# Altium PCB DM1098FFC.PcbDoc (part 3 of 3)
Units mm, origin at the board's own origin, x right, y up, seen from the top; angles counter-clockwise.
Board outline 60 x 40 mm, 4 copper layers (Top Copper, Signal Layer 1, Layer 1, Bottom Layer), stack 1.602 mm thick; 93 components, 104 nets, 471 pads, 369 vias.
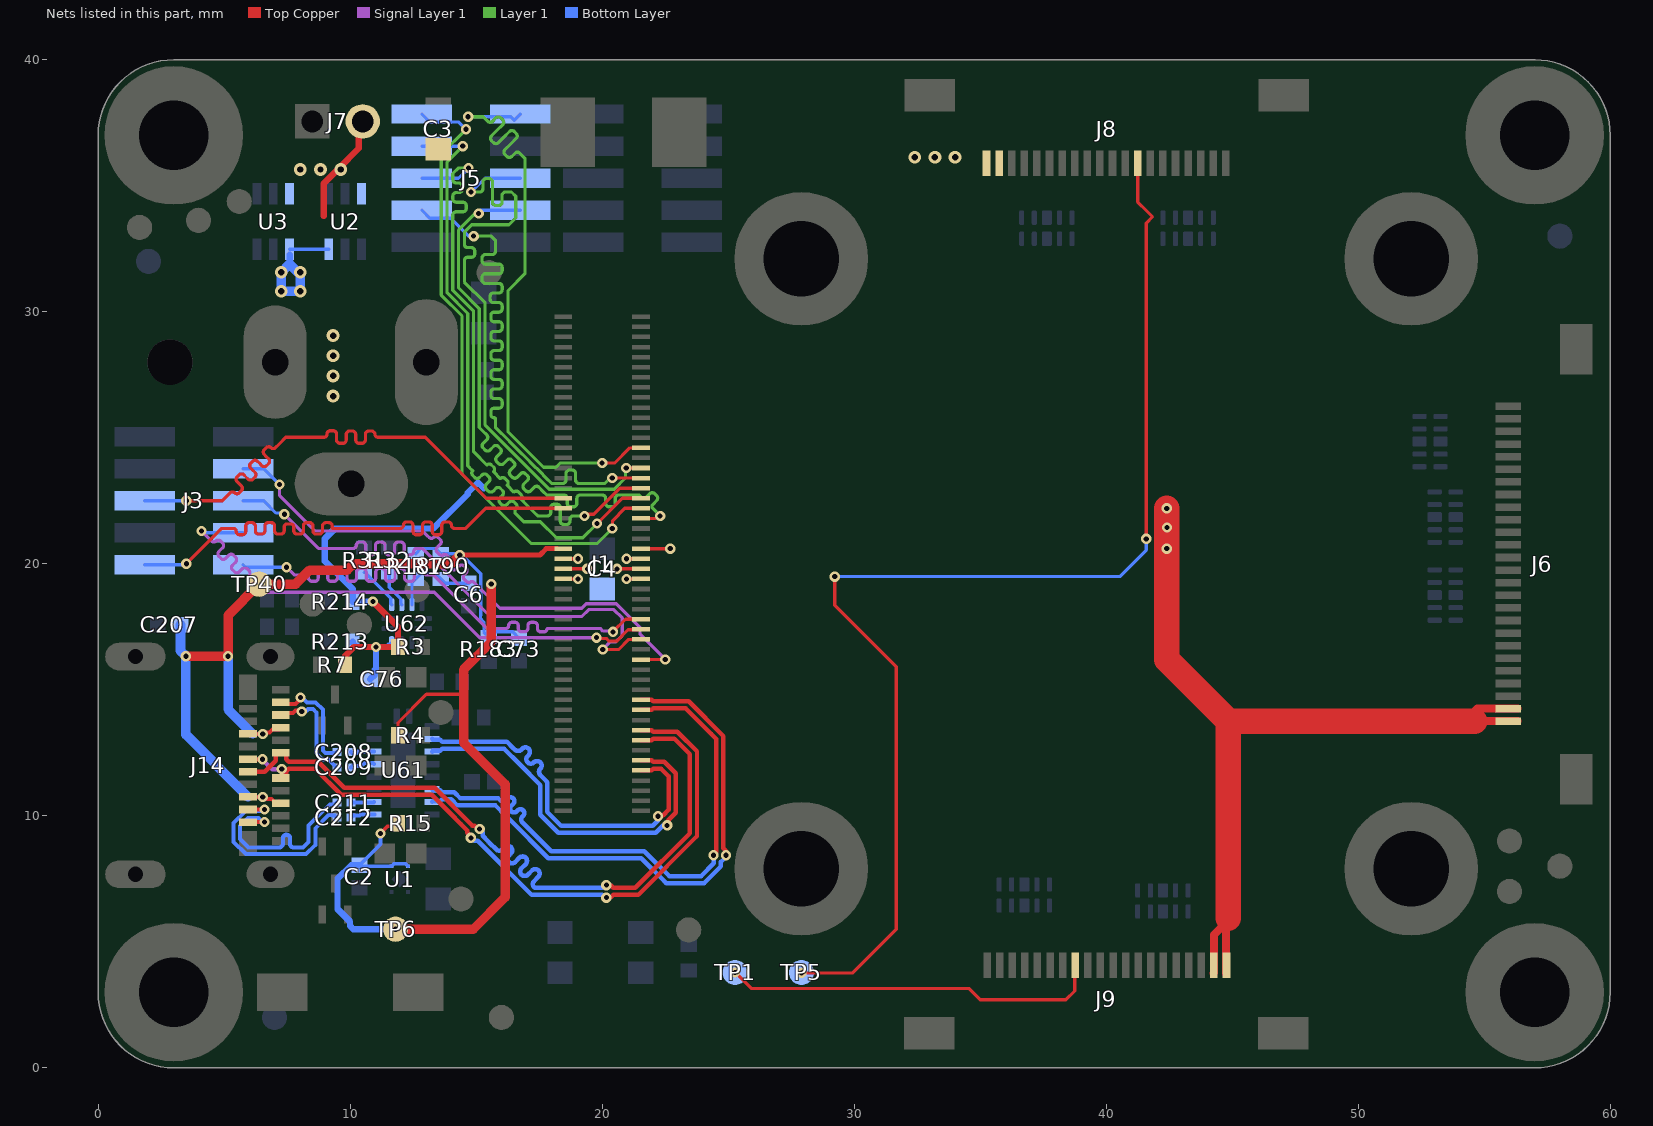
[diagram p5: the nets of this part, all layers, seen from the top]

## Via types
v1: diameter 0.406, hole 0.203, Top Copper to Bottom Layer, tented both sides, 332 vias
v2: diameter 0.508, hole 0.254, Top Copper to Bottom Layer, tented both sides, 21 vias
v3: diameter 0.508, hole 0.254, Top Copper to Bottom Layer, 16 vias

## Nets (pads, with @x,y where several pads share a name; then routed paths per layer and width w, separated by ;. In a path a pad name is that pad's centre, name@x,y a point inside that pad or via, vN(x,y) a via of type N, cw(c..) or ccw(c..) an arc to the next point about the centre after c; other vN are vias at no path point) (continued)
SD_HST0_CLK: J1.61 J3.1 | length 22.7
  Top Copper w0.127: v1(3.5,20) 4.906,21.406 5.096,21.406 5.357,21.406 cw(c5.357,21.285) 5.477,21.285 ccw(c5.611,21.285) 5.611,21.152 5.725,21.152 ccw(c5.725,21.285) 5.858,21.285 5.858,21.406 5.858,21.499 cw(c5.992,21.499) 5.992,21.633 6.106,21.633 cw(c6.106,21.499) 6.239,21.499 6.239,21.406 6.239,21.312 ccw(c6.373,21.312) 6.373,21.179 6.487,21.179 ccw(c6.487,21.312) 6.62,21.312 6.62,21.406 6.62,21.499 cw(c6.754,21.499) 6.754,21.633 6.868,21.633 cw(c6.868,21.499) 7.001,21.499 7.001,21.406 7.001,21.312 ccw(c7.135,21.312) 7.135,21.179 7.249,21.179 ccw(c7.249,21.312) 7.382,21.312 7.382,21.406 7.382,21.451 cw(c7.516,21.451) 7.516,21.584 7.63,21.584 cw(c7.63,21.451) 7.763,21.451 7.763,21.406 7.763,21.312 ccw(c7.897,21.312) 7.897,21.179 8.011,21.179 ccw(c8.011,21.312) 8.144,21.312 8.144,21.406 8.144,21.499 cw(c8.278,21.499) 8.278,21.633 8.392,21.633 cw(c8.392,21.499) 8.525,21.499 8.525,21.406 8.525,21.312 ccw(c8.659,21.312) 8.659,21.179 8.773,21.179 ccw(c8.773,21.312) 8.906,21.312 8.906,21.406 8.906,21.499 cw(c9.04,21.499) 9.04,21.633 9.154,21.633 cw(c9.154,21.499) 9.287,21.499 9.287,21.406 9.297,21.406 11.747,21.406 11.992,21.406 ccw(c11.992,21.526) 12.113,21.526 cw(c12.246,21.526) 12.246,21.66 12.361,21.66 cw(c12.361,21.526) 12.494,21.526 12.494,21.406 12.494,21.285 ccw(c12.627,21.285) 12.627,21.152 12.742,21.152 ccw(c12.742,21.285) 12.875,21.285 12.875,21.406 12.875,21.526 cw(c13.008,21.526) 13.008,21.66 13.123,21.66 cw(c13.123,21.526) 13.256,21.526 13.256,21.406 13.256,21.285 ccw(c13.389,21.285) 13.389,21.152 13.504,21.152 ccw(c13.504,21.285) 13.637,21.285 13.637,21.406 13.637,21.526 cw(c13.77,21.526) 13.77,21.66 13.885,21.66 cw(c13.885,21.526) 14.018,21.526 ccw(c14.139,21.526) 14.139,21.406 14.399,21.406 14.589,21.406 15.384,22.2 J1.61@18.46,22.2 J1.61@18.5,22.2
  Bottom Layer w0.127: J3.1@1.85,19.96 3.46,19.96 v1(3.5,20)
SD_HST0_CMD: J1.63 J3.5 | length 22.7
  Top Copper w0.127: v1(3.5,22.5) 4.926,22.5 5.061,22.635 5.245,22.819 cw(c5.33,22.733) 5.415,22.819 ccw(c5.51,22.913) 5.604,22.819 5.685,22.9 ccw(c5.59,22.994) 5.685,23.088 5.599,23.174 5.514,23.259 cw(c5.608,23.353) 5.514,23.447 5.595,23.528 cw(c5.689,23.434) 5.783,23.528 5.869,23.443 5.954,23.358 ccw(c6.048,23.452) 6.143,23.358 6.223,23.438 ccw(c6.129,23.533) 6.223,23.627 6.138,23.712 6.053,23.798 cw(c6.147,23.892) 6.053,23.986 6.134,24.067 cw(c6.228,23.973) 6.322,24.067 6.408,23.982 6.493,23.896 ccw(c6.587,23.991) 6.681,23.896 6.762,23.977 ccw(c6.668,24.072) 6.762,24.166 6.677,24.251 6.592,24.336 cw(c6.686,24.431) 6.592,24.525 6.672,24.606 cw(c6.767,24.512) 6.861,24.606 ccw(c6.946,24.691) 7.032,24.606 7.2,24.774 7.449,25.023 8.89,25.023 8.96,25.023 ccw(c8.96,25.143) 9.08,25.143 cw(c9.214,25.143) 9.214,25.277 9.328,25.277 cw(c9.328,25.143) 9.461,25.143 9.461,25.023 9.461,24.913 ccw(c9.595,24.913) 9.595,24.78 9.709,24.78 ccw(c9.709,24.913) 9.842,24.913 9.842,25.023 9.842,25.132 cw(c9.976,25.132) 9.976,25.266 10.09,25.266 cw(c10.09,25.132) 10.223,25.132 10.223,25.023 10.223,24.913 ccw(c10.357,24.913) 10.357,24.78 10.471,24.78 ccw(c10.471,24.913) 10.604,24.913 10.604,25.023 10.604,25.132 cw(c10.738,25.132) 10.738,25.266 10.852,25.266 cw(c10.852,25.132) 10.985,25.132 ; 10.985,25.135 10.985,25.141 ; 10.985,25.143 ccw(c11.106,25.143) 11.106,25.023 11.35,25.023 12.984,25.023 15.407,22.6 J1.63@18.46,22.6
  Bottom Layer w0.127: J3.5@1.85,22.5 v1(3.5,22.5)
SD_HST0_D0: J1.40 J3.2 | length 22.8
  Top Copper w0.127: v1(20.425,17.3) 20.925,17.8 J1.40@21.54,17.8 J1.40@21.565,17.8
  Signal Layer 1 w0.127: v1(7.474,19.863) 7.779,19.558 7.969,19.558 8.23,19.558 cw(c8.23,19.437) 8.35,19.437 ccw(c8.484,19.437) 8.484,19.304 8.598,19.304 ccw(c8.598,19.437) 8.731,19.437 8.731,19.558 8.731,19.678 cw(c8.865,19.678) 8.865,19.812 8.979,19.812 cw(c8.979,19.678) 9.112,19.678 9.112,19.558 9.112,19.437 ccw(c9.246,19.437) 9.246,19.304 9.36,19.304 ccw(c9.36,19.437) 9.493,19.437 9.493,19.558 9.493,19.678 cw(c9.627,19.678) 9.627,19.812 9.741,19.812 cw(c9.741,19.678) 9.874,19.678 9.874,19.558 9.874,19.437 ccw(c10.008,19.437) 10.008,19.304 10.122,19.304 ccw(c10.122,19.437) 10.255,19.437 10.255,19.558 10.255,19.678 cw(c10.389,19.678) 10.389,19.812 10.503,19.812 cw(c10.503,19.678) 10.636,19.678 10.636,19.558 10.636,19.437 ccw(c10.77,19.437) 10.77,19.304 10.884,19.304 ccw(c10.884,19.437) 11.017,19.437 11.017,19.558 11.017,19.678 cw(c11.151,19.678) 11.151,19.812 11.265,19.812 cw(c11.265,19.678) 11.398,19.678 11.398,19.558 11.398,19.437 ccw(c11.532,19.437) 11.532,19.304 11.646,19.304 ccw(c11.646,19.437) 11.779,19.437 11.779,19.558 11.779,19.678 cw(c11.913,19.678) 11.913,19.812 12.027,19.812 cw(c12.027,19.678) 12.16,19.678 12.16,19.558 12.16,19.437 ccw(c12.294,19.437) 12.294,19.304 12.408,19.304 ccw(c12.408,19.437) 12.541,19.437 12.541,19.558 12.541,19.678 cw(c12.675,19.678) 12.675,19.812 12.789,19.812 cw(c12.789,19.678) 12.922,19.678 ccw(c13.043,19.678) 13.043,19.558 13.1,19.558 13.298,19.558 15.419,17.437 16.1,17.437 16.181,17.437 ccw(c16.181,17.546) 16.291,17.546 cw(c16.424,17.546) 16.424,17.68 16.538,17.68 cw(c16.538,17.546) 16.672,17.546 16.672,17.437 16.672,17.433 ccw(c16.805,17.433) 16.805,17.3 16.919,17.3 ccw(c16.919,17.433) 17.053,17.433 17.053,17.437 17.053,17.544 cw(c17.186,17.544) 17.186,17.677 17.3,17.677 cw(c17.3,17.544) 17.434,17.544 17.434,17.437 17.434,17.433 ccw(c17.567,17.433) 17.567,17.3 17.681,17.3 ccw(c17.681,17.433) 17.815,17.433 17.815,17.437 18.701,17.437 19.925,17.437 20.031,17.33 20.395,17.33 v1(20.425,17.3)
  Bottom Layer w0.127: J3.2@5.75,19.96 5.847,19.863 v1(7.474,19.863)
SD_HST0_D1: J1.38 J3.4 | length 22.8
  Top Copper w0.127: v1(19.772,17.068) 19.803,17.038 20.166,17.038 20.272,16.932 20.578,16.932 21.024,17.379 21.544,17.379 J1.38@21.565,17.4
  Signal Layer 1 w0.127: v1(4.1,21.3) 4.45,20.95 4.499,20.901 ccw(c4.585,20.986) 4.67,20.901 cw(c4.764,20.806) 4.859,20.901 4.939,20.82 cw(c4.845,20.725) 4.939,20.631 4.854,20.546 4.793,20.485 ccw(c4.888,20.391) 4.793,20.297 4.874,20.216 ccw(c4.968,20.31) 5.063,20.216 5.124,20.276 5.184,20.337 cw(c5.279,20.243) 5.373,20.337 5.454,20.256 cw(c5.359,20.162) 5.454,20.068 5.393,20.007 5.332,19.946 ccw(c5.426,19.852) 5.332,19.758 5.413,19.677 ccw(c5.507,19.771) 5.602,19.677 5.662,19.738 5.723,19.798 cw(c5.817,19.704) 5.912,19.798 5.992,19.718 cw(c5.898,19.623) 5.992,19.529 ; 5.998,19.534 6.012,19.548 ; 6.017,19.554 ccw(c6.102,19.468) 6.017,19.383 6.072,19.328 6.532,18.868 13.336,18.868 15.136,17.068 v1(19.772,17.068)
  Bottom Layer w0.127: v1(4.1,21.3) 4.16,21.3 4.23,21.23 J3.4@5.75,21.23
SD_HST0_D2: J1.36 J3.6 | length 22.8
  Top Copper w0.127: v1(20.025,16.6) 20.654,16.6 21.054,17 J1.36@21.54,17 J1.36@21.565,17
  Signal Layer 1 w0.127: v1(7.389,21.963) 8.742,20.61 10.05,20.61 10.12,20.61 ccw(c10.12,20.73) 10.241,20.73 cw(c10.374,20.73) 10.374,20.864 10.488,20.864 cw(c10.488,20.73) 10.622,20.73 10.622,20.61 10.622,20.494 ccw(c10.755,20.494) 10.755,20.36 10.869,20.36 ccw(c10.869,20.494) 11.003,20.494 11.003,20.61 11.003,20.726 cw(c11.136,20.726) 11.136,20.859 11.25,20.859 cw(c11.25,20.726) 11.384,20.726 11.384,20.61 11.384,20.494 ccw(c11.517,20.494) 11.517,20.36 11.631,20.36 ccw(c11.631,20.494) 11.765,20.494 11.765,20.61 11.765,20.726 cw(c11.898,20.726) 11.898,20.859 12.012,20.859 cw(c12.012,20.726) 12.146,20.726 12.146,20.61 12.146,20.494 ccw(c12.279,20.494) 12.279,20.36 12.393,20.36 ccw(c12.393,20.494) 12.527,20.494 ; 12.527,20.489 cw(c12.647,20.489) 12.647,20.61 12.81,20.61 12.856,20.61 15.558,17.908 19.19,17.908 19.466,18.184 20.462,18.184 20.793,17.853 20.793,17.147 20.546,16.9 20.325,16.9 v1(20.025,16.6) ; 12.527,20.49 12.527,20.493
  Bottom Layer w0.127: J3.6@5.75,22.5 6.57,22.5 7.053,22.017 7.336,22.017 v1(7.389,21.963)
SD_HST0_D3: J1.32 J3.8 | length 22.9
  Top Copper w0.127: J1.32@21.565,16.2 21.57,16.205 v1(22.504,16.205)
  Signal Layer 1 w0.127: v1(7.199,23.15) 7.199,22.706 8.609,21.297 12.881,21.297 13.086,21.092 13.135,21.043 ccw(c13.221,21.128) 13.306,21.043 cw(c13.4,20.948) 13.495,21.043 13.575,20.962 cw(c13.481,20.868) 13.575,20.773 13.49,20.688 13.45,20.648 ccw(c13.544,20.553) 13.45,20.459 13.53,20.378 ccw(c13.625,20.472) 13.719,20.378 ; 13.674,20.333 cw(c13.759,20.248) 13.845,20.333 13.944,20.234 cw(c13.858,20.149) 13.944,20.064 ccw(c14.038,19.97) 13.944,19.875 14.024,19.794 ccw(c14.119,19.889) 14.213,19.794 14.298,19.88 14.331,19.913 cw(c14.425,19.818) 14.52,19.913 14.6,19.832 cw(c14.506,19.737) 14.6,19.643 14.568,19.61 14.527,19.57 ccw(c14.622,19.476) 14.527,19.381 14.608,19.301 ccw(c14.702,19.395) 14.797,19.301 ; 13.693,20.352 13.7,20.359 ; 14.752,19.256 cw(c14.837,19.17) 14.922,19.256 15.1,19.078 15.946,18.232 19.19,18.232 19.371,18.413 20.556,18.413 21.504,17.465 21.504,17.206 v1(22.504,16.205) ; 14.771,19.275 14.777,19.281
  Bottom Layer w0.127: J3.8@5.75,23.77 6.57,23.77 7.19,23.15 v1(7.199,23.15)
SPI_SCK: J1.74 J5.1 | length 25.5
  Top Copper w0.127: v1(20,24) 20.5,24 21.1,24.6 J1.74@21.54,24.6 J1.74@21.565,24.6
  Layer 1 w0.127: v1(14.683,37.736) 15.287,37.736 15.423,37.6 15.463,37.56 ccw(c15.558,37.654) 15.652,37.56 15.784,37.691 cw(c15.878,37.597) 15.972,37.691 16.053,37.611 cw(c15.959,37.516) 16.053,37.422 15.827,37.196 15.609,36.978 ccw(c15.704,36.884) 15.609,36.79 15.69,36.709 ccw(c15.785,36.803) 15.879,36.709 16.096,36.926 16.323,37.153 cw(c16.417,37.058) 16.511,37.153 16.592,37.072 cw(c16.498,36.978) 16.592,36.883 16.366,36.657 16.14,36.431 ccw(c16.234,36.336) 16.14,36.242 16.22,36.161 ccw(c16.315,36.256) 16.409,36.161 16.541,36.293 cw(c16.635,36.199) 16.73,36.293 16.933,36.09 16.933,31.508 16.263,30.838 16.263,25.241 17.672,23.832 18.171,23.832 18.339,24 v1(20,24)
  Bottom Layer w0.127: v1(14.683,37.736) 16.374,37.736 16.51,37.6 J5.1@16.75,37.84
SPI_SIO0: J1.62 J5.2 | length 25.5
  Top Copper w0.127: v1(20.4,21.4) 20.412,21.412 20.412,21.712 20.9,22.2 J1.62@21.54,22.2 J1.62@21.565,22.2
  Layer 1 w0.127: v1(14.6,37.241) 13.617,36.258 13.617,30.659 14.44,29.836 14.44,23.549 17.186,20.803 19.803,20.803 v1(20.4,21.4)
  Bottom Layer w0.127: J5.2@12.85,37.84 13.167,37.523 14.317,37.523 v1(14.6,37.241)
SPI_SIO1: J1.64 J5.4 | length 25.4
  Top Copper w0.127: v1(19.8,21.6) 20.8,22.6 J1.64@21.54,22.6 J1.64@21.565,22.6
  Layer 1 w0.127: v1(14.47,36.57) 13.846,35.946 13.846,30.754 14.669,29.931 14.669,23.887 14.837,23.719 cw(c14.809,23.692) 14.837,23.665 14.864,23.692 ccw(c14.958,23.598) 14.864,23.503 14.945,23.423 ccw(c15.039,23.517) 15.133,23.423 15.238,23.527 cw(c15.332,23.433) 15.427,23.527 15.507,23.446 cw(c15.413,23.352) 15.507,23.258 15.403,23.153 ccw(c15.497,23.059) 15.403,22.965 15.484,22.884 ccw(c15.578,22.978) 15.672,22.884 15.777,22.988 cw(c15.871,22.894) 15.965,22.988 16.046,22.908 cw(c15.952,22.813) 16.046,22.719 15.942,22.614 ccw(c16.036,22.52) 15.942,22.426 16.022,22.345 ccw(c16.117,22.439) 16.211,22.345 16.316,22.45 cw(c16.41,22.355) 16.504,22.45 16.585,22.369 cw(c16.491,22.275) 16.585,22.18 16.575,22.17 ccw(c16.669,22.076) 16.575,21.981 16.75,21.806 16.884,21.671 17.549,21.671 18.189,21.032 19.232,21.032 v1(19.8,21.6)
  Bottom Layer w0.127: J5.4@12.85,36.57 v1(14.47,36.57)
SPI_SIO2: J1.66 J5.6 | length 25.4
  Top Copper w0.127: v1(19.3,21.9) 19.368,21.968 19.668,21.968 20.7,23 J1.66@21.54,23 J1.66@21.565,23
  Layer 1 w0.127: v1(14.7,35.7) 14.287,35.7 14.075,35.487 14.075,35.3 14.075,35.243 ccw(c14.208,35.243) 14.208,35.11 14.311,35.11 cw(c14.311,34.976) 14.444,34.976 14.444,34.862 cw(c14.311,34.862) 14.311,34.729 14.208,34.729 ccw(c14.208,34.595) 14.075,34.595 14.075,34.481 ccw(c14.208,34.481) 14.208,34.348 14.475,34.348 cw(c14.475,34.214) 14.608,34.214 14.608,34.1 cw(c14.475,34.1) 14.475,33.967 14.208,33.967 ccw(c14.208,33.833) 14.075,33.833 14.075,33.586 14.075,33.205 14.075,33.168 14.075,30.848 14.897,30.026 14.897,24.596 14.897,24.444 15.421,23.921 cw(c15.515,23.826) 15.61,23.921 15.691,23.84 cw(c15.596,23.745) 15.691,23.651 15.96,23.382 cw(c16.054,23.287) 16.149,23.382 16.229,23.301 cw(c16.135,23.207) 16.229,23.112 16.499,22.843 cw(c16.593,22.749) 16.687,22.843 16.768,22.762 cw(c16.674,22.668) 16.768,22.574 17.038,22.304 17.307,22.035 17.442,21.9 17.578,21.9 17.826,21.9 ccw(c17.826,22.033) 17.959,22.033 17.959,22.231 cw(c18.093,22.231) 18.093,22.364 18.207,22.364 cw(c18.207,22.231) 18.34,22.231 18.34,21.9 18.34,21.691 ccw(c18.474,21.691) 18.474,21.558 18.588,21.558 ccw(c18.588,21.691) 18.721,21.691 18.721,21.767 cw(c18.855,21.767) 18.855,21.9 18.912,21.9 v1(19.3,21.9)
  Bottom Layer w0.127: J5.6@12.85,35.3 14.3,35.3 v1(14.7,35.7)
SPI_SIO3: J1.68 J5.8 | length 25.5
  Top Copper w0.127: v1(20.4,23.4) J1.68@21.54,23.4 J1.68@21.565,23.4
  Layer 1 w0.127: v1(14.9,33) 15.606,33 15.765,32.841 15.765,32.651 15.765,32.403 cw(c15.632,32.403) 15.632,32.27 15.366,32.27 ccw(c15.366,32.136) 15.232,32.136 15.232,32.022 ccw(c15.366,32.022) 15.366,31.889 15.765,31.889 15.9,31.889 cw(c15.9,31.755) 16.033,31.755 16.033,31.641 cw(c15.9,31.641) 15.9,31.508 15.765,31.508 15.366,31.508 ccw(c15.366,31.374) 15.232,31.374 15.232,31.26 ccw(c15.366,31.26) 15.366,31.127 15.765,31.127 15.9,31.127 cw(c15.9,30.993) 16.033,30.993 16.033,30.879 cw(c15.9,30.879) 15.9,30.746 15.765,30.746 15.687,30.746 ccw(c15.687,30.612) 15.554,30.612 15.554,30.498 ccw(c15.687,30.498) 15.687,30.365 15.765,30.365 15.9,30.365 cw(c15.9,30.231) 16.033,30.231 16.033,30.117 cw(c15.9,30.117) 15.9,29.984 15.765,29.984 15.717,29.984 ccw(c15.717,29.85) 15.584,29.85 15.584,29.736 ccw(c15.717,29.736) 15.717,29.603 15.765,29.603 15.9,29.603 cw(c15.9,29.469) 16.033,29.469 16.033,29.355 cw(c15.9,29.355) 15.9,29.222 15.765,29.222 15.717,29.222 ccw(c15.717,29.088) 15.584,29.088 15.584,28.974 ccw(c15.717,28.974) 15.717,28.841 15.765,28.841 15.9,28.841 cw(c15.9,28.707) 16.033,28.707 16.033,28.593 cw(c15.9,28.593) 15.9,28.46 15.765,28.46 15.717,28.46 ccw(c15.717,28.326) 15.584,28.326 15.584,28.212 ccw(c15.717,28.212) 15.717,28.079 15.765,28.079 15.9,28.079 cw(c15.9,27.945) 16.033,27.945 16.033,27.831 cw(c15.9,27.831) 15.9,27.698 15.765,27.698 15.717,27.698 ccw(c15.717,27.564) 15.584,27.564 15.584,27.45 ccw(c15.717,27.45) 15.717,27.317 15.765,27.317 15.9,27.317 cw(c15.9,27.183) 16.033,27.183 16.033,27.069 cw(c15.9,27.069) 15.9,26.936 15.765,26.936 15.717,26.936 ccw(c15.717,26.802) 15.584,26.802 15.584,26.688 ccw(c15.717,26.688) 15.717,26.555 15.765,26.555 15.9,26.555 cw(c15.9,26.421) 16.033,26.421 16.033,26.307 cw(c15.9,26.307) 15.9,26.174 15.765,26.174 15.717,26.174 ccw(c15.717,26.04) 15.584,26.04 15.584,25.926 ccw(c15.717,25.926) 15.717,25.793 ; 15.716,25.793 cw(c15.716,25.744) 15.765,25.744 15.765,25.415 15.9,25.281 16.169,25.011 16.438,24.742 16.708,24.472 16.977,24.203 17.247,23.934 17.516,23.664 17.785,23.395 17.994,23.186 18.185,23.186 18.432,23.186 ccw(c18.432,23.32) 18.566,23.32 18.566,23.585 cw(c18.699,23.585) 18.699,23.719 18.813,23.719 cw(c18.813,23.585) 18.947,23.585 18.947,23.32 ccw(c19.08,23.32) 19.08,23.186 19.328,23.186 19.709,23.186 20.081,23.186 20.111,23.186 20.324,23.4 v1(20.4,23.4)
  Bottom Layer w0.127: J5.8@12.85,34.03 13.167,33.713 13.986,33.713 14.7,33 v1(14.9,33)
SPI_SS_0: J1.70 J5.5 | length 25.4
  Top Copper w0.127: v1(20.954,23.8) J1.70@21.54,23.8 J1.70@21.565,23.8
  Layer 1 w0.127: v1(14.8,34.75) 15.076,34.75 15.133,34.75 ccw(c15.133,34.883) 15.267,34.883 15.267,35.15 cw(c15.4,35.15) 15.4,35.283 15.514,35.283 cw(c15.514,35.15) 15.648,35.15 15.648,34.75 15.648,34.35 ccw(c15.781,34.35) 15.781,34.217 15.895,34.217 ccw(c15.895,34.35) 16.029,34.35 16.029,34.617 cw(c16.162,34.617) 16.162,34.75 16.403,34.75 16.574,34.579 16.574,33.72 16.304,33.45 14.829,33.45 14.532,33.153 14.532,32.735 14.532,32.678 ccw(c14.665,32.678) 14.665,32.544 14.811,32.544 cw(c14.811,32.411) 14.944,32.411 14.944,32.297 cw(c14.811,32.297) 14.811,32.163 14.665,32.163 ccw(c14.665,32.03) 14.532,32.03 14.532,31.9 14.532,31.176 15.355,30.353 15.355,25.502 17.899,22.958 20.478,22.958 20.927,23.406 20.927,23.773 v1(20.954,23.8)
  Bottom Layer w0.127: v1(14.8,34.75) 15.35,35.3 J5.5@16.75,35.3
SPI_SS_1: J1.60 J5.7 | length 25.4
  Top Copper w0.127: J1.60@21.54,21.8 22.124,21.8 22.224,21.9 v1(22.3,21.9)
  Layer 1 w0.127: v1(15.1,33.9) 15.047,33.846 14.902,33.846 14.303,33.247 14.303,30.943 15.126,30.12 15.126,25.408 15.245,25.288 15.42,25.113 cw(c15.326,25.019) 15.42,24.925 15.277,24.781 ccw(c15.372,24.687) 15.277,24.593 15.358,24.512 ccw(c15.452,24.606) 15.547,24.512 15.69,24.655 cw(c15.784,24.561) 15.878,24.655 15.959,24.574 cw(c15.865,24.48) 15.959,24.386 15.816,24.243 ccw(c15.91,24.148) 15.816,24.054 15.897,23.973 ccw(c15.991,24.067) 16.085,23.973 16.229,24.116 cw(c16.323,24.022) 16.417,24.116 16.498,24.036 cw(c16.404,23.941) 16.498,23.847 16.355,23.704 ccw(c16.449,23.609) 16.355,23.515 16.436,23.434 ccw(c16.53,23.529) 16.624,23.434 16.768,23.578 cw(c16.862,23.483) 16.956,23.578 17.037,23.497 cw(c16.943,23.402) 17.037,23.308 16.894,23.165 ccw(c16.988,23.071) 16.894,22.976 16.974,22.896 ccw(c17.069,22.99) 17.163,22.896 17.306,23.039 cw(c17.401,22.944) 17.495,23.039 17.67,22.864 17.805,22.729 17.852,22.729 18.233,22.729 18.48,22.729 cw(c18.48,22.596) 18.614,22.596 18.614,22.393 ccw(c18.747,22.393) 18.747,22.26 18.861,22.26 ccw(c18.861,22.393) 18.995,22.393 18.995,22.596 cw(c19.128,22.596) 19.128,22.729 19.376,22.729 19.757,22.729 20.004,22.729 cw(c20.004,22.596) 20.138,22.596 20.138,22.393 ccw(c20.271,22.393) 20.271,22.26 20.385,22.26 ccw(c20.385,22.393) 20.519,22.393 20.519,22.596 cw(c20.652,22.596) 20.652,22.729 20.9,22.729 21.281,22.729 21.471,22.729 21.562,22.638 ccw(c21.656,22.733) 21.75,22.638 21.894,22.782 cw(c21.988,22.687) 22.082,22.782 22.163,22.701 cw(c22.069,22.606) 22.163,22.512 22.02,22.369 ccw(c22.114,22.275) 22.02,22.18 22.06,22.14 v1(22.3,21.9)
  Bottom Layer w0.127: v1(15.1,33.9) 15.1,33.956 15.174,34.03 J5.7@16.75,34.03
STRB2: J9.8 TP1.1 | length 14.8
  Top Copper w0.127: v1(25.273,3.785) 25.908,3.15 34.55,3.15 35,2.7 38.4,2.7 38.75,3.05 J9.8@38.75,3.75
STROBE1: J8.8 TP5.1 | length 48.6
  Top Copper w0.127: v1(27.907,3.758) 29.925,3.758 31.666,5.5 31.666,15.918 29.23,18.354 v1(29.23,19.49) ; J8.8@41.25,36.25 41.25,35.75 41.25,35.15 41.25,34.35 41.5,34.1 ; 41.375,34.225 41.5,34.1 ; v1(41.587,20.989) 41.587,33.516 41.835,33.765 41.5,34.1
  Bottom Layer w0.127: TP5.1@27.907,3.785 v1(27.907,3.758) ; v1(29.23,19.49) 40.535,19.49 41.587,20.542 v1(41.587,20.989) ; v1(27.907,3.758) 27.933,3.758 27.907,3.732 v1(27.907,3.758)
TXB1_N: C209.2 U61.16 | length 1
  Bottom Layer w0.158: C209.2@10.03,11.925 10.085,11.98 10.447,11.98 10.563,12.095 10.905,12.095 U61.16@10.95,12.05
TXB1_P: C208.2 U61.17 | length 1
  Bottom Layer w0.158: C208.2@10.03,12.525 10.068,12.487 10.257,12.487 10.32,12.55 U61.17@10.95,12.55
TXB_N: C209.1 J14.A3 | length 4.2
  Top Copper w0.158: J14.A3@7.25,14 7.321,14.071 7.729,14.071 7.829,14.171 8.045,14.171 v1(8.078,14.138)
  Bottom Layer w0.158: v1(8.078,14.138) 8.125,14.186 8.282,14.186 8.331,14.235 8.522,14.235 8.656,14.101 8.656,12.491 8.905,12.241 9.134,12.241 9.45,11.925 C209.1@9.47,11.925
TXB_P: C208.1 J14.A2 | length 4.3
  Top Copper w0.158: J14.A2@7.25,14.5 7.319,14.431 7.829,14.431 8.026,14.628 v1(8.026,14.694)
  Bottom Layer w0.158: v1(8.026,14.694) 8.094,14.694 8.292,14.495 8.629,14.495 8.915,14.209 8.915,12.598 9.013,12.501 9.446,12.501 C208.1@9.47,12.525
TXC1_N: C212.2 U61.12 | length 1
  Bottom Layer w0.158: C212.2@10.03,9.925 10.111,10.006 10.369,10.006 10.413,10.05 U61.12@10.95,10.05 U61.12@10.97,10.05
TXC1_P: C211.2 U61.13 | length 0.9
  Bottom Layer w0.158: C211.2@10.03,10.525 10.925,10.525 U61.13@10.95,10.55
TXC_N: C212.1 J14.B3 | length 8.2
  Top Copper w0.158: J14.B3@5.95,10.25 5.951,10.249 6.603,10.249 v1(6.604,10.248)
  Bottom Layer w0.158: v1(6.604,10.248) 6.556,10.2 5.862,10.2 5.375,9.713 5.375,8.965 5.861,8.478 8.244,8.478 8.616,8.85 8.616,9.502 9.146,10.032 9.277,10.032 9.302,10.006 9.389,10.006 C212.1@9.47,9.925
TXC_P: C211.1 J14.B2 | length 8.2
  Top Copper w0.158: J14.B2@5.95,9.75 5.951,9.751 v1(6.604,9.752) v1(6.604,9.752)
  Bottom Layer w0.158: v1(6.604,9.752) 6.537,9.752 6.368,9.921 5.95,9.921 5.634,9.606 5.634,9.072 5.969,8.738 6.934,8.738 7.172,8.738 ccw(c7.172,8.896) 7.33,8.896 7.33,9.107 cw(c7.472,9.107) 7.615,9.107 7.615,8.896 ccw(c7.773,8.896) 7.773,8.738 8.137,8.738 8.357,8.957 8.357,9.61 9.191,10.445 9.39,10.445 C211.1@9.47,10.525
USB_CM: R31.1 U62.3 | length 1.8
  Bottom Layer w0.127: R31.1@10.55,19.65 10.6,19.65 11.614,18.636 11.614,18.411 U62.3@11.65,18.375
USB_D_N: J1.18 J14.A7 J14.B7 | length 27.6
  Top Copper w0.158: J14.B7@5.95,12.25 5.962,12.238 6.515,12.238 6.518,12.242 v1(6.518,12.246)
  Top Copper w0.178: v1(7.285,11.854) 7.444,11.694 J14.A7@7.25,11.5 7.402,11.5 7.463,11.561 7.463,11.756 7.568,11.86 8.622,11.86 9.653,10.829 13.237,10.829 13.966,10.1 14.388,9.678 14.649,9.417 14.649,9.326 14.789,9.187 v1(14.789,9.125) ; v1@20.35,6.767 20.443,6.861 21.426,6.861 23.763,9.198 23.763,12.562 22.985,13.34 22.017,13.34 21.958,13.399 21.541,13.399 J1.18@21.54,13.4
  Signal Layer 1 w0.178: v1(6.518,12.246) 6.518,12.235 6.548,12.205 6.548,12.197 6.82,11.925 6.829,11.934 6.916,11.847 6.923,11.854 v1(7.285,11.854)
  Bottom Layer w0.178: v1@14.924,9.005 15.061,9.005 17.206,6.861 19.996,6.861 20.104,6.753 v1(20.166,6.753)
USB_D_P: J1.16 J14.A6 J14.B6 | length 29.2
  Top Copper w0.178: J14.B6@5.95,11.75 6.612,11.75 7.05,12.187 7.05,12.439 7.111,12.5 J14.A6@7.25,12.5 7.402,12.5 7.463,12.439 7.463,12.244 7.568,12.14 8.738,12.14 9.768,11.109 13.352,11.109 14.847,9.614 14.938,9.614 15.077,9.475 v1(15.139,9.475) ; v1(20.166,7.248) 20.335,7.248 20.443,7.14 21.31,7.14 23.483,9.313 23.483,12.446 22.869,13.06 22.017,13.06 21.958,13.001 J1.16@21.541,13.001 ; J1.16@21.54,13 J1.16@21.541,13.001
  Bottom Layer w0.178: v1(15.139,9.475) 15.259,9.355 15.259,9.203 15.482,8.979 15.545,8.917 15.792,8.669 ccw(c15.918,8.795) 16.043,8.669 16.129,8.755 cw(c16.254,8.629) 16.38,8.503 16.295,8.418 ccw(c16.42,8.292) 16.295,8.167 ccw(c16.42,8.292) 16.546,8.167 16.715,8.335 cw(c16.84,8.209) 16.966,8.335 cw(c16.84,8.209) 16.966,8.084 16.798,7.915 ccw(c16.923,7.789) 16.798,7.664 ccw(c16.923,7.789) 17.049,7.664 17.217,7.832 cw(c17.343,7.706) 17.469,7.832 cw(c17.343,7.706) 17.469,7.581 17.3,7.412 ccw(c17.426,7.287) 17.3,7.161 17.321,7.14 17.783,7.14 19.996,7.14 20.104,7.248 v1(20.166,7.248)
USB_PORT: R32.1 U62.4 | length 1.5
  Bottom Layer w0.127: R32.1@11.55,19.65 11.55,19.071 12.014,18.607 12.014,18.411 U62.4@12.05,18.375
USB_RX_N: J1.12 U61.4 | length 15.2
  Top Copper w0.178: J1.12@21.54,12.2 21.541,12.199 21.958,12.199 22.017,12.14 22.466,12.14 22.914,11.691 22.914,10.119 22.622,9.827 22.622,9.665 v1(22.578,9.622)
  Bottom Layer w0.178: U61.4@13.25,12.55 13.286,12.586 13.574,12.586 13.648,12.66 16.106,12.66 16.707,12.06 17.547,11.22 17.547,10.038 18.253,9.331 22.126,9.331 v1@22.424,9.629
USB_RX_P: J1.10 U61.3 | length 15.2
  Top Copper w0.178: J1.10@21.54,11.8 21.541,11.801 21.958,11.801 22.017,11.86 22.35,11.86 22.635,11.575 22.635,10.235 22.425,10.025 22.263,10.025 v1(22.219,9.981)
  Bottom Layer w0.178: U61.3@13.25,13.05 13.286,13.014 13.574,13.014 13.648,12.94 16.222,12.94 16.476,12.686 16.539,12.623 ccw(c16.664,12.749) 16.79,12.623 16.83,12.664 cw(c16.956,12.538) 17.082,12.664 cw(c16.956,12.538) 17.082,12.412 17.042,12.372 ccw(c17.167,12.246) 17.041,12.12 ccw(c17.167,12.246) 17.293,12.12 cw(c17.419,11.995) 17.544,12.12 cw(c17.419,11.995) 17.544,11.869 ccw(c17.67,11.743) 17.544,11.618 17.763,11.399 17.826,11.336 17.826,10.153 18.369,9.61 22.01,9.61 v1@22.226,9.826
USB_TX_N: J1.24 U61.8 | length 22.3
  Top Copper w0.178: v1@24.9,8.469 24.9,8.62 24.808,8.712 24.808,13.163 23.431,14.54 22.017,14.54 21.958,14.599 J1.24@21.541,14.599 ; J1.24@21.54,14.6 J1.24@21.541,14.599
  Bottom Layer w0.178: U61.8@13.25,10.55 13.286,10.586 13.574,10.586 13.648,10.66 14.012,10.66 14.262,10.41 15.768,10.41 16.172,10.006 16.348,9.83 17.858,8.32 21.55,8.32 22.459,7.411 22.541,7.329 24.043,7.329 24.712,7.998 24.712,8.17 24.916,8.373 v1(24.916,8.435)
USB_TX_P: J1.22 U61.7 | length 22.3
  Top Copper w0.178: J1.22@21.54,14.2 21.541,14.201 21.958,14.201 22.017,14.26 23.316,14.26 24.32,13.256 24.528,13.048 24.528,8.604 24.522,8.598 24.522,8.537 v1(24.42,8.435)
  Bottom Layer w0.178: U61.7@13.25,11.05 13.286,11.014 13.574,11.014 13.648,10.94 14.128,10.94 14.378,10.69 15.883,10.69 15.946,10.627 ccw(c16.072,10.753) 16.198,10.627 16.258,10.687 cw(c16.366,10.58) 16.474,10.687 cw(c16.366,10.58) 16.474,10.472 16.395,10.393 ccw(c16.503,10.286) 16.395,10.178 ccw(c16.503,10.286) 16.611,10.178 16.652,10.219 cw(c16.759,10.111) 16.867,10.003 16.844,9.98 ccw(c16.97,9.854) 16.844,9.729 17.161,9.412 17.224,9.35 17.974,8.599 21.666,8.599 22.657,7.608 23.928,7.608 24.433,8.114 24.433,8.422 v1(24.42,8.435)
VBUS: C73.2 C207.2 J1.53 J14.A4 J14.A9 J14.B4 J14.B9 R183.2 R187.1 R190.1 TP40.1 U2.3 U3.1 | length 45.1
  Top Copper w0.152: J14.B4@5.948,10.752 J14.B4@5.95,10.75 v1(6.534,10.75) 6.603,10.75 6.685,10.668 6.887,10.668 6.976,10.579 6.976,10.574 7.05,10.5 J14.A9@7.25,10.5 J14.A9@7.176,10.574
  Top Copper w0.158: J14.B9@5.95,13.25 v1(6.534,13.25) 6.582,13.298 6.792,13.298 6.924,13.429 7.179,13.429 J14.A4@7.25,13.5
  Top Copper w0.203: v1(14.35,20.35) 17.53,20.35 17.78,20.6 J1.53@18.212,20.6
  Top Copper w0.381: v1(3.48,16.332) v1(5.156,16.332) 5.156,17.956 TP40.1@6.39,19.19 7.836,19.19 8.392,19.746 9.877,19.746 10.131,20 14,20 v1(14.35,20.35)
  Bottom Layer w0.127: 5.948,10.752 5.95,10.75 v1(6.534,10.75) ; 6.13,13.25 v1(6.534,13.25) ; U3.1@7.6,32.48 U2.3@9.15,32.48 ; v2@7.933,31.565 v2(8.017,31.565) ; R187.1@12.6,20.4 12.811,20.612 13.388,20.612 R190.1@13.6,20.4 14.3,20.4 v1(14.35,20.35) 14.425,20.35 14.533,20.243 14.545,20.243 15.182,19.606 15.182,17.949 15.169,17.936 15.169,17.831 15.309,17.691 15.309,17.291 R183.2@15.5,17.1 15.7,17.3 16.436,17.3 16.44,17.297 16.454,17.297 C73.2@16.7,17.05
  Bottom Layer w0.254: 7.6,31.898 U3.1@7.6,32.263
  Bottom Layer w0.381: C207.2@3.269,17.577 3.269,16.546 3.48,16.336 3.48,13.22 5.948,10.752 ; v1(5.156,16.332) 5.156,14.224 6.13,13.25 ; v2@7.933,31.565 7.6,31.898 v2(7.267,31.565) v2(7.267,30.815) v2(8.017,30.815) v2(8.017,31.565)
VBUS_DET: C6.2 R187.2 R190.2 U62.5 | length 3.4
  Bottom Layer w0.127: U62.5@12.45,18.375 12.45,19.25 R187.2@12.6,19.4 12.811,19.612 13.388,19.612 R190.2@13.6,19.4 13.772,19.228 C6.2@14.707,19.228
VDD_5V: C2.2 C3.2 C4.2 C76.2 J1.47 J1.48 J1.49 J1.50 J1.51 J1.52 J1.54 J6.1 J6.2 J7.P2 J8.19 J8.20 J9.19 J9.20 R3.2 R4.2 R7.2 R15.2 R213.2 R214.2 TP6.1 U1.3 U1.4 U2.6 U3.6 U62.12 | length 96.2
  Top Copper w0.127: R4.2@11.9,13.2 11.9,13.7 13.025,14.825 14.5,14.825 ; J1.47@18.435,19.4 J1.47@18.46,19.4 v1(19.038,19.4) ; J1.49@18.435,19.8 J1.49@18.46,19.8 v1(19.413,19.8) ; J1.51@18.435,20.2 J1.51@18.46,20.2 v1(19.038,20.2) ; v1(20.587,19.8) J1.50@21.54,19.8 J1.50@21.565,19.8 ; v1(20.962,19.4) J1.48@21.54,19.4 J1.48@21.565,19.4 ; v1(20.962,20.2) J1.52@21.54,20.2 J1.52@21.565,20.2 ; J1.54@21.54,20.6 v1(22.7,20.6)
  Top Copper w0.152: v1(11.2,9.3) 11.486,9.586 11.786,9.586 R15.2@11.9,9.7
  Top Copper w0.254: 8.95,33.8 8.95,35.087 9.565,35.703 10.348,36.485 10.348,37.398 J7.P2@10.5,37.55 ; R7.2@9.8,16 9.8,16.351 10.149,16.7 v1(11.024,16.7) R3.2@11.9,16.7 ; v1(10.9,18.5) 11.9,17.5 R3.2@11.9,16.7 ; R3.2@12,16.6 R3.2@11.9,16.7
  Top Copper w0.305: J9.19@44.25,3.75 44.277,3.777 44.277,5.277 44.75,5.75 ; J9.20@44.75,3.75 44.75,5.75 ; 44.841,5.941 44.75,5.85 44.75,5.75 ; 44.891,5.891 44.75,5.75 ; J6.1@56.328,13.759 55.728,13.759 54.628,13.759 54.628,14.159 54.728,14.259 55.728,14.259 J6.2@56.328,14.259
  Top Copper w0.381: v1(11.8,5.5) 14.884,5.5 16.156,6.772 16.156,11.244 14.5,12.9 14.5,14.825 14.5,15.8 15.6,16.9 v1(15.6,19.2)
  Top Copper w1.016: v1(42.4,22.2) v1(42.4,20.6) 42.4,16.2 44.841,13.759 ; 44.841,5.941 44.841,13.759 ; 54.628,13.759 44.841,13.759
  Bottom Layer w0.127: U62.12@11.623,16.752 11.65,16.779 U62.12@11.65,16.875
  Bottom Layer w0.152: C2.2@10.37,8.04 11.2,8.87 v1(11.2,9.3) ; C2.2@10.41,8 U1.3@11.64,8 11.74,8.1 12.2,8.1 U1.4@12.3,8
  Bottom Layer w0.254: R213.2@10.1,16.9 10.1,16.85 10.248,16.702 10.298,16.702 10.3,16.7 v1(11.024,16.7) ; C2.2@10.41,8 C2.2@10.37,8.04 10.04,8.04 9.5,7.5 9.5,6.3 9.994,5.806 9.994,5.635 10.129,5.5 v1(11.8,5.5) ; C76.2@10.8,15.425 10.983,15.608 10.983,15.8 11.024,15.841 v1(11.024,16.7) ; v1(10.9,18.5) R214.2@10.1,18.5 10.1,19 9,20.1 9,21 9.4,21.4 13.3,21.4 14.663,22.763 14.663,22.813 15.05,23.2 15.1,23.2 15.3,23 ; U62.12@11.623,16.752 11.527,16.752 11.475,16.7 v1(11.024,16.7)
  other v1: 42.413,21.438
  other v2: 9.322,26.653 9.322,27.453 9.322,28.254 9.322,29.055 8.024,35.643 8.825,35.643 9.626,35.643 32.4,36.129 33.201,36.129 34.002,36.129
pads on no net: FID1.1 FID2.1 FID3.1 FID4.1 FID5.1 FID6.1 J2. J2.0 J14.A8 J14.B8 U61.1 U61.10 U62.9

## Polygon pours and split planes (outlines as drawn)
GND on Top Copper "L1_GND" (solid, remove dead copper, pour order 111): 0,3 0,37 cw(c3,37) 3,40 57,40 cw(c57,37) 60,37 60,3 cw(c57,3) 57,0 3,0 cw(c3,3)
VDD_5V on Top Copper "NONET_L-01_P-001" (solid, pour order 95): 35.95,36.747 36.1,36.596 36.1,35.391 36.047,35.391 35.846,35.19 31.523,35.19 31.439,35.274 31.439,36.703 31.546,36.81 31.546,36.809 35.881,36.809
VBUS on Top Copper "NONET_L-01_P-001" (solid, pour order 97): 4.285,32.055 0.879,28.649 0.879,19.068 3.05,16.896 3.05,16.165 3.615,15.6 5.3,15.6 5.611,15.911 5.611,17.789 4.025,19.375 2.679,19.375 2.354,19.701 2.354,23.854 5.061,26.561 5.061,29.424 6.102,30.465 8.313,30.465 8.75,30.902 8.75,31.755 8.45,32.055
VDD_5V on Top Copper "NONET_L-01_P-001" (solid, pour order 107): 10.107,38.561 7.35,35.805 7.35,35.185 8.6,33.935 8.6,26.452 9.186,25.866 11.177,25.866 11.747,26.436 11.747,33.251 14.591,36.095 14.608,38.233 14.28,38.561
5V_IN on Top Copper "NONET_L-01_P-001" (solid, pour order 96): 14.35,25.5 14.7,25.85 14.7,31.023 15.621,31.945 16.457,31.945 17.824,33.312 17.824,38.454 16.61,38.454 11.176,33.02 11.176,26.167 11.843,25.5
VDD_5V on Top Copper "VDD_5V_L01_P110" (solid, remove dead copper, pour order 110): 41.6,23 41.6,9.7 44.1,7.2 44.1,5 47.619,5 55.228,12.609 55.228,14.409 45.891,14.409 43.2,17.1 43.2,23
GND on Bottom Layer "L4_GND" (solid, remove dead copper, pour order 108): 0,3 0,37 cw(c3,37) 3,40 57,40 cw(c57,37) 60,37 60,3 cw(c57,3) 57,0 3,0 cw(c3,3)
VDD_5V on Bottom Layer "VDD_5V_L04_P105" (solid, remove dead copper, pour order 105): 19.177,17.12 20.209,18.151 42.411,18.151 43.1,20.6 42.8,23.2 14.415,23.2 14.415,19.11 16.405,17.12
VDD_5V on Bottom Layer "VDD_5V_L04_P104" (solid, remove dead copper, pour order 104): 14.661,20.35 14.661,20.85 12.302,20.85 10.05,23.2 8.275,24.425 8.275,28 7.35,28 7.35,35.9 9.708,35.9 9.708,38.342 11.292,38.342 11.292,32.708 11.708,32.292 11.708,26.299 14.357,23.65 17.292,23.65 17.742,23.2 17.742,20.35
NetR6_2 on Bottom Layer "NONET_L-01_P-001" (solid, pour order 100): 10.275,32.905 10.075,32.705 10.075,31.78 10.919,30.936 13.966,30.936 14.952,29.95 16.05,29.95 16.51,30.41 16.51,31.434 15.821,32.123 12.184,32.123 11.401,32.905
VDD_5V on Bottom Layer "VDD_5V_L04_P103" (solid, remove dead copper, pour order 103): 21.3,20.6 18.7,20.6 18.7,19 21.3,19
GND on Bottom Layer "GND_L04_P101" (solid, remove dead copper, pour order 101): 19.5,20.15 20.5,20.15 20.61,20.49 21.2,20.556 21.2,21.696 18.777,21.696 18.777,20.682 19.39,20.49
GND on Signal Layer 1 "L2_GND" (solid, remove dead copper, pour order 112): 0,3 0,37 cw(c3,37) 3,40 57,40 cw(c57,37) 60,37 60,3 cw(c57,3) 57,0 3,0 cw(c3,3)
VDD_5V on Signal Layer 1 "NONET_L-01_P-001" (solid, pour order 98): 9.493,38.65 9.493,37.021 10.252,36.262 11.207,36.262 13.445,38.5 30.022,38.5 32,36.522 32,35.639 32.088,35.552 34.127,35.552 34.75,36.175 34.75,38.599 33.738,39.612 10.455,39.612
GND on Layer 1 "L3_GND" (solid, remove dead copper, pour order 99): 0,3 0,37 cw(c3,37) 3,40 57,40 cw(c57,37) 60,37 60,3 cw(c57,3) 57,0 3,0 cw(c3,3)

## Keep-outs
Top Copper:
  lines w0.254: 49.599,6.856 cw(c52.1,7.9) 53.125,10.408

## Silkscreen, mask and mechanical layers (free items; w line width, h text height)
Top Overlay:
  text "-" at 5.369,38.738 h1.5
  text "+" at 13.086,38.619 h1.5
  text "CAM_L" at 48,37 h1.5
  text "BOT" at 34.302,35.639 h1 r180
  text "5V FAN" at 6.4,32.9 h2
  text "RGB" at 56.1,30.6 h1.5
  text "BOT" at 55.939,27.455 h1 r90
  text "5V" at 10.5,13.4 h1.5
  text "PG" at 10.5,9.9 h1.5
  text "RUN" at 10.5,6.4 h1.5
  text "RST" at 5.4,4.8 h1.5
  text "BOT" at 46.571,3.832 h1
  text "CAM_R" at 48,1.5 h1.5
  text ".project_title  / .revision1" at 18.364,0.508 h2
Bottom Overlay:
  drawing of 7 lines, arcs and shapes, not listed
  text "-" at 8.382,38.653 h1.5
  text "QSPI" at 17.551,38.611 h1
  text "AUX" at 24.296,38.608 h1
  text "+" at 10.177,38.511 h1.5
  text "uSD" at 6.418,25.4 h1
  text ".project_title  / .revision1" at 40,14 h2 r270
  text "SHUTTER SYNC" at 22.7,9 h1.25
  text "FSIN2" at 17.856,5.512 h1 r270
  text "FSIN1" at 21.057,5.359 h1 r270
Board:
  the board outline again, w0.1
Fab Notes:
  drawing of 196 lines, arcs and shapes, not listed
  text "Layer" at 44.947,74.109 h1
  text "Name" at 49.131,74.109 h1
  text "Material" at 57.218,74.109 h1
  text "Thickness" at 64.485,74.109 h1
  text "Constant" at 70.455,74.109 h1
  text "Board Layer Stack" at 75.981,74.109 h1
  text "Top Overlay" at 49.131,72.109 h1
  text "Top Mask" at 49.131,70.109 h1
  text "Solder Resist" at 57.218,70.109 h1
  text "0,71mil" at 64.485,70.109 h1
  text "4.2" at 70.455,70.109 h1
  text "1" at 44.947,68.109 h1
  text "Top Copper" at 49.131,68.109 h1
  text "1,40mil" at 64.485,68.109 h1
  text "Dielectric 1" at 49.131,66.109 h1
  text "PP-021" at 57.218,66.109 h1
  text "7,09mil" at 64.485,66.109 h1
  text "4.2" at 70.455,66.109 h1
  text "2" at 44.946,64.109 h1
  text "Signal Layer 1" at 49.131,64.109 h1
  text "1,40mil" at 64.485,64.109 h1
  text "Core" at 49.131,62.109 h1
  text "Core-042" at 57.218,62.109 h1
  text "43,31mil" at 64.485,62.109 h1
  text "4.2" at 70.455,62.109 h1
  text "3" at 44.947,60.109 h1
  text "Layer 1" at 49.131,60.109 h1
  text "1,40mil" at 64.485,60.109 h1
  text "Dielectric 2" at 49.131,58.109 h1
  text "PP-021" at 57.218,58.109 h1
  text "7,09mil" at 64.485,58.109 h1
  text "4.2" at 70.455,58.109 h1
  text "4" at 44.947,56.109 h1
  text "Bottom Layer" at 49.131,56.109 h1
  text "1,40mil" at 64.485,56.109 h1
  text "Bottom Solder" at 49.131,54.109 h1
  text "Solder Resist" at 57.218,54.109 h1
  text "0,71mil" at 64.485,54.109 h1
  text "4.2" at 70.455,54.109 h1
  text "Bottom Overlay" at 49.131,52.109 h1
  text "Total board thickness:" at 44.947,50.109 h1
  text "64,50mil" at 64.485,50.109 h1
Drill Drawing:
  circle w0.254: c-7.73,70.383 r0.276
  circle w0.254: c-7.73,70.383 r0.46
  circle w0.254: c-7.73,60.033 r0.46
  lines w0.254: -9.051,52.743 33.51,52.743 ; -9.051,73.441 33.51,73.441 ; -3.732,50.673 -3.732,75.511 ; 1.136,50.673 1.136,75.511 ; 10.694,50.673 10.694,75.511 ; 14.82,50.673 14.82,75.511 ; 20.825,50.673 20.825,75.511 ; -9.051,50.673 33.51,50.673 33.51,75.511 -9.051,75.511 -9.051,50.673 ; -8.19,53.594 -7.96,53.594 -7.96,53.364 -7.5,53.364 -7.5,53.594 -7.27,53.594 -7.27,54.054 -7.5,54.054 -7.5,54.284 -7.96,54.284 -7.96,54.054 -8.19,54.054 -8.19,53.594 ; -8.19,55.664 -7.96,55.664 -7.73,55.434 -7.5,55.664 -7.27,55.664 -7.5,55.894 -7.27,56.124 -7.5,56.124 -7.73,56.354 -7.96,56.124 -8.19,56.124 -7.96,55.894 -8.19,55.664 ; -8.19,58.424 -7.27,58.424 -7.73,57.504 -8.19,58.424 ; -8.19,61.643 -7.27,61.643 -7.27,62.563 -8.19,62.563 -8.19,61.643 ; -8.19,63.713 -7.73,63.943 -7.27,63.713 -7.5,64.173 -7.27,64.633 -7.73,64.403 -8.19,64.633 -7.96,64.173 -8.19,63.713 ; -8.19,66.243 -7.73,65.783 -7.27,66.243 -7.73,66.703 -8.19,66.243 ; -8.19,67.853 -8.19,68.083 -7.96,68.313 -8.19,68.543 -8.19,68.773 -7.96,68.773 -7.73,68.543 -7.5,68.773 -7.27,68.773 -7.27,68.543 -7.5,68.313 -7.27,68.083 -7.27,67.853 -7.5,67.853 -7.73,68.083 -7.96,67.853 -8.19,67.853 ; -8.19,71.993 -7.27,71.993 -7.27,72.913 -8.19,72.913 -8.19,71.993 ; -8.006,72.177 -7.454,72.177 -7.454,72.729 -8.006,72.729 -8.006,72.177
  text "Symbol" at -7.809,74.062 h1.2
  text "Count" at -3.111,74.062 h1.2
  text "Hole Size" at 1.757,74.062 h1.2
  text "Plated" at 11.315,74.062 h1.2
  text "Hole Type" at 15.441,74.062 h1.2
  text "Drill Layer Pair" at 21.446,74.062 h1.2
  text "332" at -3.111,71.993 h1
  text "8,00mil (0,203mm)" at 1.757,71.993 h1
  text "PTH" at 11.315,71.993 h1
  text "Round" at 15.441,71.993 h1
  text "Top Copper - Bottom Layer" at 21.446,71.993 h1
  text "37" at -3.111,69.923 h1
  text "10,00mil (0,254mm)" at 1.757,69.923 h1
  text "PTH" at 11.315,69.923 h1
  text "Round" at 15.441,69.923 h1
  text "Top Copper - Bottom Layer" at 21.446,69.923 h1
  text "2" at -3.111,67.853 h1
  text "23,62mil (0,600mm)" at 1.757,67.853 h1
  text "PTH" at 11.315,67.853 h1
  text "Slot" at 15.441,67.853 h1
  text "Top Copper - Bottom Layer" at 21.446,67.853 h1
  text "2" at -3.111,65.783 h1
  text "23,62mil (0,600mm)" at 1.757,65.783 h1
  text "PTH" at 11.315,65.783 h1
  text "Slot" at 15.441,65.783 h1
  text "Top Copper - Bottom Layer" at 21.446,65.783 h1
  text "2" at -3.111,63.713 h1
  text "33,86mil (0,860mm)" at 1.757,63.713 h1
  text "PTH" at 11.315,63.713 h1
  text "Round" at 15.441,63.713 h1
  text "Top Copper - Bottom Layer" at 21.446,63.713 h1
  text "2" at -3.111,61.643 h1
  text "41,34mil (1,050mm)" at 1.757,61.643 h1
  text "PTH" at 11.315,61.643 h1
  text "Slot" at 15.441,61.643 h1
  text "Top Copper - Bottom Layer" at 21.446,61.643 h1
  text "1" at -3.111,59.573 h1
  text "41,34mil (1,050mm)" at 1.757,59.573 h1
  text "PTH" at 11.315,59.573 h1
  text "Slot" at 15.441,59.573 h1
  text "Top Copper - Bottom Layer" at 21.446,59.573 h1
  text "1" at -3.111,57.504 h1
  text "70,87mil (1,800mm)" at 1.757,57.504 h1
  text "NPTH" at 11.315,57.504 h1
  text "Round" at 15.441,57.504 h1
  text "Top Copper - Bottom Layer" at 21.446,57.504 h1
  text "4" at -3.111,55.434 h1
  text "108,27mil (2,750mm)" at 1.757,55.434 h1
  text "PTH" at 11.315,55.434 h1
  text "Round" at 15.441,55.434 h1
  text "Top Copper - Bottom Layer" at 21.446,55.434 h1
  text "4" at -3.111,53.364 h1
  text "118,11mil (3,000mm)" at 1.757,53.364 h1
  text "PTH" at 11.315,53.364 h1
  text "Round" at 15.441,53.364 h1
  text "Top Copper - Bottom Layer" at 21.446,53.364 h1
  text "387 Total" at -3.111,51.294 h1
  text "Slot definitions :" at -7.809,49.845 h1
  text "Routed Path Length" at -0.998,49.845 h1
  text "= Calculated from tool start centre position to tool end centre position." at 7.443,49.845 h1
  text "Hole Length" at -0.998,49.017 h1
  text "= Routed Path Length + Tool Size = Slot length as defined in the PCB layout" at 4.31,49.017 h1

## Text inside footprints (layer, text, board x,y; h text height)
J2: Top Overlay "5V" at 1.439,18.265 h3; Top Overlay "+" at 8,20.8 h3; Top Overlay "-" at 0.7,21.1 h3
J3: Bottom Overlay "1" at 0.371,18.763 h1 r270; Bottom Overlay "9" at 0.4,25.9 h1 r270
J4: Bottom Overlay "1" at 25.029,39.037 h1 r90; Bottom Overlay "9" at 25,31.9 h1 r90
J5: Bottom Overlay "1" at 18.229,39.037 h1 r90; Bottom Overlay "9" at 18.2,31.9 h1 r90
J6: Top Overlay "1" at 55.772,13 h1 r90; Top Overlay "26" at 55.772,26.989 h1 r90
J8: Top Overlay "20" at 34.75,35.713 h1 r180; Top Overlay "1" at 45.5,35.713 h1 r180
J9: Top Overlay "20" at 45.271,4.248 h1; Top Overlay "1" at 34.521,4.248 h1
MISC1: Top Assembly "BW1099 Module" at 43.79,20.8 h2 r180
U61: Assembly Notes "Based on 0.125 thick stencil" at 11.995,9.2 h0.5 r270